# KiCad board VCU_CM5.kicad_pcb (continued)
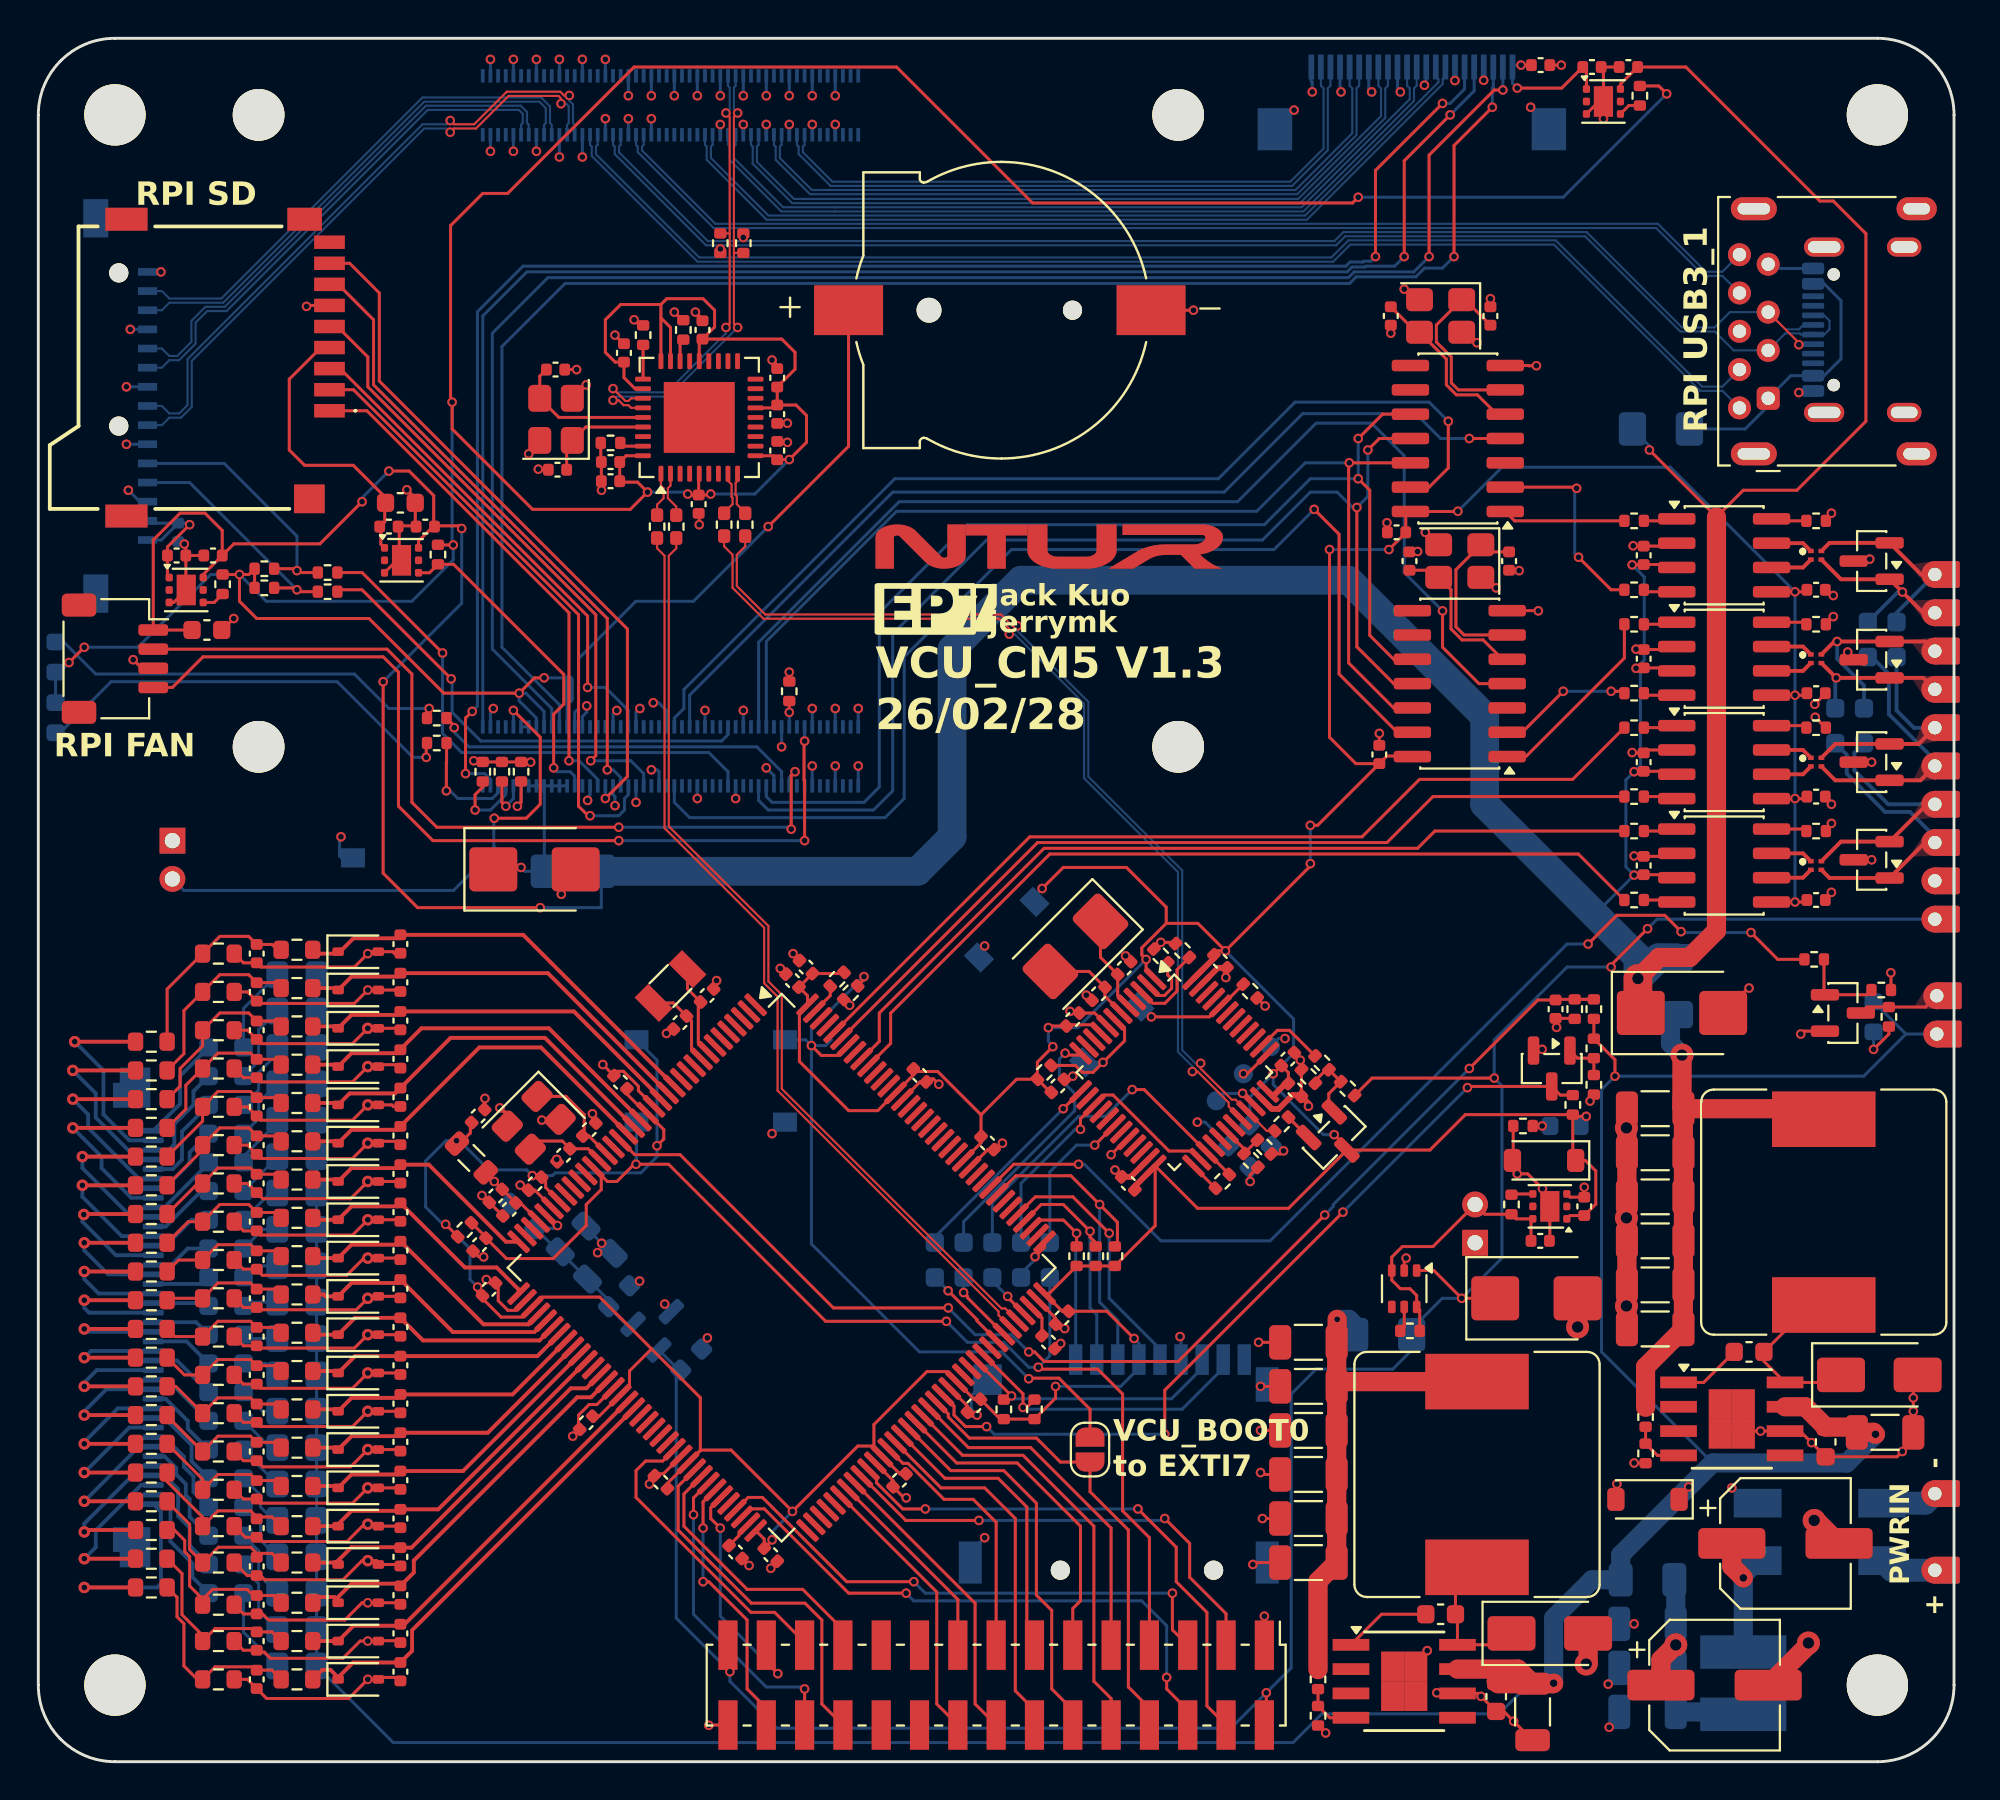
[diagram p0: board, top side]
## Nets (continued)
GND: BT1.N C1.2 C2.2 C3.2 C4.2 C5.2 C6.2 C7.2 C8.2 C9.2 C10.1 C12.2 C13.2 C14.2 C15.2 C16.2 C17.2 C18.2 C19.2 C20.2 C21.2 C22.2 C23.2 C24.2 C25.2 C26.2 C27.2 C28.2 C29.2 C30.2 C31.2 C32.2 C33.2 C34.2 C35.2 C36.2 C37.2 C38.2 C39.2 C40.2 C41.2 C42.2 C43.2 C44.2 C45.2 C46.2 C47.2 C48.2 C49.2 C50.2 C51.2 C52.2 C53.2 C54.1 C55.1 C56.2 C57.2 C58.2 C59.2 C60.2 C61.2 C62.2 C63.2 C64.2 C65.2 C66.2 C67.2 C68.2 C69.2 C70.2 C71.2 C72.2 C73.2 C74.2 C75.2 C76.2 C77.2 C78.2 C79.2 C80.2 C81.2 C82.2 C83.2 C84.2 C85.2 C86.2 C87.2 C88.2 C89.2 C90.2 C91.2 C92.2 C93.2 C94.2 C95.2 C96.2 C97.2 C98.2 C99.2 C100.2 C101.2 C102.2 C103.2 C104.2 C105.2 C106.2 C107.2 C108.2 C109.2 C110.2 C111.2 C112.1 C114.2 C115.2 C116.2 C117.2 C118.2 C119.2 C120.2 C121.2 C122.2 C123.2 C124.2 C125.2 C126.2 C127.2 C128.2 C129.2 C130.2 C131.2 C136.2 C137.2 C143.2 C144.2 D1.2 D3.2 D4.2 D5.2 D6.3 D7.2 D8.2 D9.2 D10.2 D11.2 D12.2 D14.1 D17.2 D18.2 D19.2 D20.2 D21.2 D22.2 D23.2 D24.2 D25.2 D26.2 D27.2 D28.2 D29.2 D30.2 D31.2 D33.2 D34.2 D35.3 D36.3 D38.3 FL1.4 J1.4 J2.1 J3.1 J4.3 J5.4 J5.7 J5.10 J5.13 J5.16 J5.19 J5.22 J5.MP J6.3 J6.6 J6.9 J6.12 J6.15 J7.6 J9.1 J9.30 J10.6 J10.G1 J10.G2 J10.G3 J10.G4 J24.A1 J24.A12 J24.B1 J24.B12 Module1.1 Module1.2 Module1.7 Module1.8 Module1.13 Module1.14 Module1.22 Module1.23 Module1.32 Module1.33 Module1.42 Module1.43 Module1.52 Module1.53 Module1.59 Module1.60 Module1.65 Module1.66 Module1.71 Module1.74 Module1.98 Module1.107 Module1.108 Module1.113 Module1.114 Module1.119 Module1.120 Module1.125 Module1.126 Module1.131 Module1.132 Module1.137 Module1.138 Module1.144 Module1.150 Module1.155 Module1.156 Module1.161 Module1.162 Module1.167 Module1.168 Module1.173 Module1.174 Module1.179 Module1.180 Module1.185 Module1.186 Module1.191 Module1.192 Module1.197 Module1.198 Q1.2 Q3.2 R6.2 R10.2 R12.1 R14.2 R17.2 R18.2 R20.2 R22.2 R24.2 R26.2 R28.2 R30.2 R31.2 R32.2 R44.2 R57.1 R58.2 R59.2 R60.2 R101.2 R103.2 R105.2 R107.2 R109.2 R111.2 R113.2 R115.2 R117.2 R119.2 R121.2 R123.2 R125.2 R130.1 R140.2 R143.1 R146.2 R149.2 R150.1 R151.1 R152.1 R158.2 R162.2 SW1.2 SW2.1 SW4.1 TP10.1 TP17.1 U1.2 U2.3 U2.7 U3.6 U3.9 U4.2 U5.8 U5.20 U5.23 U5.35 U5.47 U6.3 U6.7 U7.3 U7.7 U8.3 U8.7 U9.7 U10.7 U11.3 U12.16 U12.31 U12.38 U12.51 U12.61 U12.83 U12.94 U12.107 U12.120 U12.130 U13.6 U13.9 U14.2 U17.2 U19.2 Y2.2 Y2.4 Y3.2 Y3.4 Y4.2 Y4.4 Y6.2 Y6.4
/computer/40P.GPIO2: Module1.58
/computer/40P.GPIO3: Module1.56
/computer/40P.GPIO4: Module1.54
/computer/40P.GPIO5: Module1.34
/computer/40P.GPIO6: Module1.30
/computer/40P.GPIO7: Module1.37
/computer/40P.GPIO8: Module1.39
/computer/40P.GPIO9: Module1.40
/computer/40P.GPIO10: Module1.44
/computer/40P.GPIO11: Module1.38
/computer/40P.GPIO12: Module1.31
/computer/40P.GPIO13: Module1.28 U10.4
/computer/40P.GPIO14: Module1.55
/computer/40P.GPIO15: Module1.51
/computer/40P.GPIO16: Module1.29
/computer/40P.GPIO17: Module1.50 U9.13
/computer/40P.GPIO18: Module1.49 U10.13
/computer/40P.GPIO19: Module1.26 U9.12 U10.12
/computer/40P.GPIO20: Module1.27 U9.11 U10.11
/computer/40P.GPIO21: Module1.25 U9.10 U10.10
/computer/40P.GPIO22: Module1.46 U9.4
/computer/40P.GPIO23: Module1.47
/computer/40P.GPIO24: Module1.45
/computer/40P.GPIO25: Module1.41
/computer/40P.GPIO26: Module1.24
/computer/40P.GPIO27: Module1.48
/computer/40P.ID_SC: Module1.35 R51.2
/computer/40P.ID_SD: Module1.36 R50.2
/computer/compute module/CC1: Module1.94
/computer/compute module/CC2: Module1.96
/computer/compute module/ETH.TRD0_N: Module1.10
/computer/compute module/ETH.TRD0_P: Module1.12
/computer/compute module/ETH.TRD1_N: Module1.6
/computer/compute module/ETH.TRD1_P: Module1.4
/computer/compute module/ETH.TRD2_N: Module1.9
/computer/compute module/ETH.TRD2_P: Module1.11
/computer/compute module/ETH.TRD3_N: Module1.5
/computer/compute module/ETH.TRD3_P: Module1.3
/computer/compute module/ETH_nACT_LED: Module1.15
/computer/compute module/ETH_nSPD_LED: Module1.17
/computer/compute module/ETH_SYNC_OUT: Module1.18
/computer/compute module/FAN_PWM: J4.2 Module1.19
/computer/compute module/FAN_TACH: J4.4 Module1.16
/computer/compute module/HDMI0.CEC: Module1.151
/computer/compute module/HDMI0.CK_N: Module1.190
/computer/compute module/HDMI0.CK_P: Module1.188
/computer/compute module/HDMI0.D0_N: Module1.184
/computer/compute module/HDMI0.D0_P: Module1.182
/computer/compute module/HDMI0.D1_N: Module1.178
/computer/compute module/HDMI0.D1_P: Module1.176
/computer/compute module/HDMI0.D2_N: Module1.172
/computer/compute module/HDMI0.D2_P: Module1.170
/computer/compute module/HDMI0.HOTPLUG: Module1.153
/computer/compute module/HDMI0.SCL: Module1.200
/computer/compute module/HDMI0.SDA: Module1.199
/computer/compute module/HDMI1.CEC: Module1.149
/computer/compute module/HDMI1.CK_N: Module1.166
/computer/compute module/HDMI1.CK_P: Module1.164
/computer/compute module/HDMI1.D0_N: Module1.160
/computer/compute module/HDMI1.D0_P: Module1.158
/computer/compute module/HDMI1.D1_N: Module1.154
/computer/compute module/HDMI1.D1_P: Module1.152
/computer/compute module/HDMI1.D2_N: Module1.148
/computer/compute module/HDMI1.D2_P: Module1.146
/computer/compute module/HDMI1.HOTPLUG: Module1.143
/computer/compute module/HDMI1.SCL: Module1.147
/computer/compute module/HDMI1.SDA: Module1.145
/computer/compute module/MIPI1.C_N: J6.11 Module1.187
/computer/compute module/MIPI1.C_P: J6.10 Module1.189
/computer/compute module/MIPI1.D0_N: J6.8 Module1.175
/computer/compute module/MIPI1.D0_P: J6.7 Module1.177
/computer/compute module/MIPI1.D1_N: J6.14 Module1.181
/computer/compute module/MIPI1.D1_P: J6.13 Module1.183
/computer/compute module/MIPI1.D2_N: Module1.193
/computer/compute module/MIPI1.D2_P: Module1.195
/computer/compute module/MIPI1.D3_N: Module1.194
/computer/compute module/MIPI1.D3_P: Module1.196
/computer/compute module/nACT_LED: Module1.21 R49.2
/computer/compute module/nPWR_LED: Module1.95 R48.2
/computer/compute module/PWR_BTN: J3.2 Module1.92 SW1.1
/computer/compute module/RPI_5V_in: D17.1 F4.2 Module1.77 Module1.79 Module1.81 Module1.83 Module1.85 Module1.87
/computer/compute module/USB2.D+: Module1.105
/computer/compute module/USB2.D-: Module1.103
/computer/compute module/USB2.OTG: Module1.101
/computer/MIPI0.C_N: J5.15 Module1.127
/computer/MIPI0.C_P: J5.14 Module1.129
/computer/MIPI0.D0_N: J5.21 Module1.115
/computer/MIPI0.D0_P: J5.20 Module1.117
/computer/MIPI0.D1_N: J5.18 Module1.121
/computer/MIPI0.D1_P: J5.17 Module1.123
/computer/MIPI0.D2_N: J5.12 Module1.133
/computer/MIPI0.D2_P: J5.11 Module1.135
/computer/MIPI0.D3_N: J5.9 Module1.139
/computer/MIPI0.D3_P: J5.8 Module1.141
/computer/MIPI0.GPIO0: J5.6 Module1.97
/computer/MIPI0.GPIO1: J5.5 Module1.100
/computer/MIPI0.SCL: J5.3 Module1.80
/computer/MIPI0.SDA: J5.2 Module1.82
/computer/MIPI1.SCL: J6.5 R51.1 R52.1
/computer/MIPI1.SDA: J6.4 R50.1 R53.1
/computer/PCIe.CLK_N: Module1.112
/computer/PCIe.CLK_P: Module1.110
/computer/PCIe.nCLKREQ: Module1.102
/computer/PCIe.nRST: Module1.109
/computer/PCIe.nWAKE: Module1.104
/computer/PCIe.PWR_EN: Module1.106
/computer/PCIe.RX_N: Module1.118
/computer/PCIe.RX_P: Module1.116
/computer/PCIe.TX_N: Module1.124
/computer/PCIe.TX_P: Module1.122
/computer/SD.CK: J7.5 Module1.57
/computer/SD.CMD: J7.3 Module1.62
/computer/SD.D0: J7.7 Module1.63
/computer/SD.D1: J7.8 Module1.67
/computer/SD.D2: J7.1 Module1.69
/computer/SD.D3: J7.2 Module1.61
/computer/SD_PWR_ON: Module1.75 R54.2 U6.4
/computer/USB3_0.D+: Module1.134 R133.2 U15.31
/computer/USB3_0.D-: Module1.136 R134.2 U15.30
/computer/USB3_0.RX+: Module1.130
/computer/USB3_0.RX-: Module1.128
/computer/USB3_0.TX+: Module1.142
/computer/USB3_0.TX-: Module1.140
/DFP0.D+: R132.2 U15.2
/DFP0.D-: R131.2 U15.1
/DFP1.D+: U15.4
/DFP1.D-: U15.3
/DFP2.D+: U15.7
/DFP2.D-: U15.6
/DFP3.D+: R46.1 U15.9
/DFP3.D-: R47.2 U15.8
/RPI CAN0/CAN.RX: R156.1 U9.2
/RPI CAN0/CAN.TX: R155.1 U9.1
/RPI CAN0/CAN_H: D36.2 FL4.4 R1.2 TP1.1
/RPI CAN0/CAN_L: D36.1 FL4.3 R2.2 TP2.1
/RPI CAN1/CAN.RX: R148.1 U10.2
/RPI CAN1/CAN.TX: R147.1 U10.1
/RPI CAN1/CAN_H: D35.2 FL3.4 R3.2 TP3.1
/RPI CAN1/CAN_L: D35.1 FL3.3 R4.2 TP4.1
/stlink/BOOT0: R32.1 SW5.1 U5.44
/stlink/DEBUG.CLK: R40.2 U12.109
/stlink/DEBUG.DIO: R41.2 U12.105
/stlink/DEBUG.RST: C86.1 J9.7 R42.2 R127.2 SW2.2 U12.25
/stlink/LED_STLINK: R35.2 R36.1 U5.30
/stlink/OSC_IN: C32.1 U5.5 Y1.1
/stlink/OSC_OUT: C33.1 U5.6 Y1.2
/stlink/RENUM: R37.1 U5.38
/stlink/S_CLK: TP16.1 U5.37
/stlink/S_DIO: TP15.1 U5.34
/stlink/t_CLK: R40.1 U5.15 U5.26
/stlink/t_DIO: R33.1 R41.1 U5.27
/stlink/t_RST: R42.1 U5.18
/stlink/T_SWO: U5.31
/stlink/USART2_RX: R39.1 U5.13
/stlink/USART2_TX: R38.1 U5.12
/stlink/USB_DN: R47.1 U5.32
/stlink/USB_DP: R45.2 R46.2 U5.33
/stlink/VCP_MCU_UART.RX: R38.2 U12.102
/stlink/VCP_MCU_UART.TX: R39.2 U12.101
/STM32 CAN1/CAN.RX: R161.1 U12.139
/STM32 CAN1/CAN.TX: R160.1 U12.140
/STM32 CAN1/CAN_H: D38.2 FL5.4 R1.1 TP5.1
/STM32 CAN1/CAN_L: D38.1 FL5.3 R2.1 TP6.1
/STM32 CAN2/CAN.RX: R16.1 U12.135
/STM32 CAN2/CAN.TX: R15.1 U12.136
/STM32 CAN2/CAN_H: D6.2 FL2.4 R3.1 TP7.1
/STM32 CAN2/CAN_L: D6.1 FL2.3 R4.1 TP8.1
/USB3_1.D+: J1.3 J24.A6 J24.B6 Module1.163 R133.1
/USB3_1.D-: J1.2 J24.A7 J24.B7 Module1.165 R134.1
/USB3_1.RX+: J1.6 Module1.159
/USB3_1.RX-: J1.5 Module1.157
/USB3_1.TX+: J1.9 Module1.171
/USB3_1.TX-: J1.8 Module1.169
/vcu mcu/BOOT0: JP1.2 R130.2 SW3.1 U12.138
/vcu mcu/buzzer/buzzer_outbox: Q3.3 R144.1 TP14.1
/vcu mcu/buzzer_gate: R142.2 U12.117
/vcu mcu/CL_CH1: C31.1 D12.1 R29.2 U12.13
/vcu mcu/CL_CH2: C57.1 D18.1 R102.2 U12.14
/vcu mcu/CL_CH3: C59.1 D19.1 R104.2 U12.15
/vcu mcu/CL_CH4: C61.1 D20.1 R106.2 U12.18
/vcu mcu/CL_CH5: C63.1 D21.1 R108.2 U12.19
/vcu mcu/CL_CH6: C65.1 D22.1 R110.2 U12.20
/vcu mcu/CL_CH7: C67.1 D23.1 R112.2 U12.36
/vcu mcu/CL_CH8: C69.1 D24.1 R114.2 U12.37
/vcu mcu/CL_CH9: C71.1 D25.1 R116.2 U12.40
/vcu mcu/CL_CH10: C73.1 D26.1 R118.2 U12.41
/vcu mcu/CL_CH11: C75.1 D27.1 R120.2 U12.42
/vcu mcu/CL_CH12: C77.1 D28.1 R122.2 U12.43
/vcu mcu/CL_CH13: C79.1 D29.1 R124.2 U12.44
/vcu mcu/CL_CH14: C81.1 D30.1 R126.2 U12.45
/vcu mcu/CL_CH15: C110.1 D31.1 R141.2 U12.46
/vcu mcu/CL_CH16: C21.1 D7.1 R19.2 U12.47
/vcu mcu/CL_CH17: C23.1 D8.1 R21.2 U12.49
/vcu mcu/CL_CH18: C25.1 D9.1 R23.2 U12.50
/vcu mcu/CL_CH19: C27.1 D10.1 R25.2 U12.53
/vcu mcu/CL_CH20: C29.1 D11.1 R27.2 U12.54
/vcu mcu/current loop sensors/current loop 1/CL_LOOP: C30.1 R28.1 R29.1 R81.2
/vcu mcu/current loop sensors/current loop 2/CL_LOOP: C56.1 R82.2 R101.1 R102.1
/vcu mcu/current loop sensors/current loop 3/CL_LOOP: C58.1 R83.2 R103.1 R104.1
/vcu mcu/current loop sensors/current loop 4/CL_LOOP: C60.1 R84.2 R105.1 R106.1
/vcu mcu/current loop sensors/current loop 5/CL_LOOP: C62.1 R85.2 R107.1 R108.1
/vcu mcu/current loop sensors/current loop 6/CL_LOOP: C64.1 R86.2 R109.1 R110.1
/vcu mcu/current loop sensors/current loop 7/CL_LOOP: C66.1 R87.2 R111.1 R112.1
/vcu mcu/current loop sensors/current loop 8/CL_LOOP: C68.1 R88.2 R113.1 R114.1
/vcu mcu/current loop sensors/current loop 9/CL_LOOP: C70.1 R89.2 R115.1 R116.1
/vcu mcu/current loop sensors/current loop 10/CL_LOOP: C72.1 R90.2 R117.1 R118.1
/vcu mcu/current loop sensors/current loop 11/CL_LOOP: C74.1 R91.2 R119.1 R120.1
/vcu mcu/current loop sensors/current loop 12/CL_LOOP: C76.1 R92.2 R121.1 R122.1
/vcu mcu/current loop sensors/current loop 13/CL_LOOP: C78.1 R93.2 R123.1 R124.1
/vcu mcu/current loop sensors/current loop 14/CL_LOOP: C80.1 R94.2 R125.1 R126.1
/vcu mcu/current loop sensors/current loop 15/CL_LOOP: C109.1 R95.2 R140.1 R141.1
/vcu mcu/current loop sensors/current loop 16/CL_LOOP: C20.1 R18.1 R19.1 R96.2
/vcu mcu/current loop sensors/current loop 17/CL_LOOP: C22.1 R20.1 R21.1 R97.2
/vcu mcu/current loop sensors/current loop 18/CL_LOOP: C24.1 R22.1 R23.1 R98.2
/vcu mcu/current loop sensors/current loop 19/CL_LOOP: C26.1 R24.1 R25.1 R99.2
/vcu mcu/current loop sensors/current loop 20/CL_LOOP: C28.1 R26.1 R27.1 R100.2
/vcu mcu/EXTI2: J9.13 U12.87
/vcu mcu/EXTI3: J9.12 U12.88
/vcu mcu/EXTI4: J9.11 U12.89
/vcu mcu/EXTI5: J9.10 U12.90
/vcu mcu/EXTI6: J9.9 U12.91
/vcu mcu/EXTI7: J9.8 JP1.1 U12.92
/vcu mcu/EXTI8: Q1.3 R7.2 U12.93
/vcu mcu/EXTI9: J9.18 U12.78
/vcu mcu/EXTI10: J9.17 U12.79
/vcu mcu/EXTI11: J9.16 U12.80
/vcu mcu/EXTI12: J9.3 U12.81
/vcu mcu/EXTI13: J9.4 U12.82
/vcu mcu/EXTI14: J9.15 U12.85
/vcu mcu/EXTI15: J9.14 U12.86
/vcu mcu/I2C2_SCL: J9.5 U12.69
/vcu mcu/I2C2_SDA: J9.6 U12.70
/vcu mcu/OSC32_IN: C107.1 U12.8 Y5.1
/vcu mcu/OSC32_OUT: C108.1 U12.9 Y5.2
/vcu mcu/OSC_IN: C105.1 U12.23 Y4.1
/vcu mcu/OSC_OUT: C106.1 U12.24 Y4.3
/vcu mcu/SDMMC1_CK: J10.5 U12.113
/vcu mcu/SDMMC1_CMD: J10.3 R139.1 U12.116
/vcu mcu/SDMMC1_D0: J10.7 R135.1 U12.98
/vcu mcu/SDMMC1_D1: J10.8 R136.1 U12.99
/vcu mcu/SDMMC1_D2: J10.1 R137.1 U12.111
/vcu mcu/SDMMC1_D3: J10.2 R138.1 U12.112
/vcu mcu/SPI4_CS0: J9.24 U12.63
/vcu mcu/SPI4_CS1: J9.23 U12.64
/vcu mcu/SPI4_LEDPWM: J9.25 U12.60
/vcu mcu/SPI4_MISO: J9.28 U12.66
/vcu mcu/SPI4_MOSI: J9.27 U12.67
/vcu mcu/SPI4_SCK: J9.26 U12.65
/vcu mcu/USART6_RX: U12.97
/vcu mcu/USART6_TX: U12.96
/vcu mcu/USBDN: R131.1 U12.103
/vcu mcu/USBDP: R132.1 U12.104
/vcu mcu/VCAP1: C87.1 U12.71
/vcu mcu/VCAP2: C90.1 U12.106
Net-(Module1A-GPIO_VREF(1.8v/3.3v_Input)): Module1.78 NT1.2
Net-(C1-Pad1): C1.1 FL1.3 L1.1
Net-(C2-Pad1): C2.1 C3.1 C4.1 C5.1 F2.1 L1.2
Net-(C12-Pad1): C12.1 C13.1 C14.1 C15.1 C16.1 C17.1 F3.1 L2.2 R13.1
Net-(C114-Pad1): C114.1 C115.1 C116.1 C117.1 C118.1 C119.1 F25.1 L3.2 R145.1
Net-(D2-K): D2.1 R12.2
Net-(D4-K): C11.2 D4.1 L2.1 U3.8
Net-(D13-K): D13.1 R35.1
Net-(D14-A): D14.2 R36.2
Net-(D15-K): D15.1 R48.1
Net-(D16-K): D16.1 R49.1
Net-(D32-K): D32.1 R144.2
Net-(D33-K): C113.2 D33.1 L3.1 U13.8
Net-(F5-Pad2): F5.2 R61.2
Net-(F6-Pad2): F6.2 R62.2
Net-(F7-Pad2): F7.2 R67.2
Net-(F8-Pad2): F8.2 R68.2
Net-(F9-Pad2): F9.2 R69.2
Net-(F10-Pad2): F10.2 R70.2
Net-(F11-Pad2): F11.2 R71.2
Net-(F12-Pad2): F12.2 R72.2
Net-(F13-Pad2): F13.2 R73.2
Net-(F14-Pad2): F14.2 R74.2
Net-(F15-Pad2): F15.2 R75.2
Net-(F16-Pad2): F16.2 R76.2
Net-(F17-Pad2): F17.2 R77.2
Net-(F18-Pad2): F18.2 R78.2
Net-(F19-Pad2): F19.2 R79.2
Net-(F20-Pad2): F20.2 R80.2
Net-(F21-Pad2): F21.2 R63.2
Net-(F22-Pad2): F22.2 R64.2
Net-(F23-Pad2): F23.2 R65.2
Net-(F24-Pad2): F24.2 R66.2
Net-(FL1-Pad1): FL1.1 TP9.1
Net-(FL1-Pad2): FL1.2 TP11.1
Net-(J1-VBUS): F1.2 J1.1 J24.A4 J24.A9 J24.B4 J24.B9
Net-(J7-VDD): C46.1 C49.1 J7.4 U6.1
Net-(J8-Pin_1): J8.1 R100.1
Net-(J8-Pin_2): J8.2 R80.1
Net-(J8-Pin_3): J8.3 R99.1
Net-(J8-Pin_4): J8.4 R79.1
Net-(J8-Pin_5): J8.5 R98.1
Net-(J8-Pin_6): J8.6 R78.1
Net-(J8-Pin_7): J8.7 R97.1
Net-(J8-Pin_8): J8.8 R77.1
Net-(J8-Pin_9): J8.9 R96.1
Net-(J8-Pin_10): J8.10 R76.1
Net-(J8-Pin_11): J8.11 R95.1
Net-(J8-Pin_12): J8.12 R75.1
Net-(J8-Pin_13): J8.13 R94.1
Net-(J8-Pin_14): J8.14 R74.1
Net-(J8-Pin_15): J8.15 R93.1
Net-(J8-Pin_16): J8.16 R73.1
Net-(J8-Pin_17): J8.17 R92.1
Net-(J8-Pin_18): J8.18 R72.1
Net-(J8-Pin_19): J8.19 R91.1
Net-(J8-Pin_20): J8.20 R71.1
Net-(J8-Pin_21): J8.21 R90.1
Net-(J8-Pin_22): J8.22 R70.1
Net-(J8-Pin_23): J8.23 R89.1
Net-(J8-Pin_24): J8.24 R69.1
Net-(J8-Pin_25): J8.25 R88.1
Net-(J8-Pin_26): J8.26 R68.1
Net-(J8-Pin_27): J8.27 R87.1
Net-(J8-Pin_28): J8.28 R67.1
Net-(J8-Pin_29): J8.29 R86.1
Net-(J8-Pin_30): J8.30 R66.1
Net-(J8-Pin_31): J8.31 R85.1
Net-(J8-Pin_32): J8.32 R65.1
Net-(J8-Pin_33): J8.33 R84.1
Net-(J8-Pin_34): J8.34 R64.1
Net-(J8-Pin_35): J8.35 R83.1
Net-(J8-Pin_36): J8.36 R63.1
Net-(J8-Pin_37): J8.37 R82.1
Net-(J8-Pin_38): J8.38 R62.1
Net-(J8-Pin_39): J8.39 R81.1
Net-(J8-Pin_40): J8.40 R61.1
Net-(Module1A-BT_nDisable): Module1.91 R59.1
Net-(Module1A-EEPROM_nWP): Module1.20 R57.2
Net-(Module1A-nRPIBOOT): Module1.93 R60.1
Net-(Module1A-WiFi_nDisable): Module1.89 R58.1
Net-(Q1-G): Q1.1 R5.2 R6.1
Net-(Q2-B): Q2.1 R37.2 R43.2 R44.1
Net-(Q2-E): Q2.2 R45.1
Net-(Q3-G): Q3.1 R142.1 R143.2
Net-(U1-ST): R8.2 U1.5
Net-(U2-EN): R11.2 U2.4
Net-(U3-BOOT): C11.1 U3.1
Net-(U3-VSENSE): R13.2 R14.1 U3.4
Net-(U4-CANH): FL2.1 U4.7
Net-(U4-CANL): FL2.2 U4.6
Net-(U4-RXD): R16.2 U4.4
Net-(U4-STB): R17.1 U4.8
Net-(U4-TXD): R15.2 U4.1
Net-(U5-NRST): R34.2 SW4.2 U5.7
Net-(U5-PB12): R33.2 U5.25
Net-(U5-PC13): R30.1 U5.2
Net-(U5-PC14): R31.1 U5.3
Net-(U7-EN): R55.2 U7.4
Net-(U8-EN): R56.2 U8.4
Net-(U9-OSC1): C52.1 U9.6 Y2.1
Net-(U9-OSC2): C50.1 U9.5 Y2.3
Net-(U10-OSC1): C53.1 U10.6 Y3.1
Net-(U10-OSC2): C51.1 U10.5 Y3.3
Net-(U11-OUT): C83.1 C84.1 C85.1 R128.2 U11.2 U12.32
Net-(U12-PDR_ON): R129.2 U12.143
Net-(U13-BOOT): C113.1 U13.1
Net-(U13-VSENSE): R145.2 R146.1 U13.4
Net-(U14-CANH): FL3.1 U14.7
Net-(U14-CANL): FL3.2 U14.6
Net-(U14-RXD): R148.2 U14.4
Net-(U14-STB): R149.1 U14.8
Net-(U14-TXD): R147.2 U14.1
Net-(U15-HS_IND/CFG_SEL1): R152.2 U15.25
Net-(U15-RBIAS): R151.2 U15.35
Net-(U15-SUSP_IND/LOCAL_PWR/NON_REM0): R150.2 U15.28
Net-(U15-XTALIN/CLKIN): C122.1 U15.33 Y6.1
Net-(U15-XTALOUT): C123.1 U15.32 Y6.3
Net-(U17-CANH): FL4.1 U17.7
Net-(U17-CANL): FL4.2 U17.6
Net-(U17-RXD): R156.2 U17.4
Net-(U17-STB): R158.1 U17.8
Net-(U17-TXD): R155.2 U17.1
Net-(U19-CANH): FL5.1 U19.7
Net-(U19-CANL): FL5.2 U19.6
Net-(U19-RXD): R161.2 U19.4
Net-(U19-STB): R162.1 U19.8
Net-(U19-TXD): R160.2 U19.1

Pads without a net: J1 7 10; J4 MP; J6 MP; J7 CD1 G1 G2 G3 G4; J8 MP; J9 19 20 21 22; J10 CD1; J24 A5 A8 B5 B8 S1; Module1 64 68 70 72 73 99; U1 4; U2 2 5; U3 2 3 5; U5 4 10 11 14 16 17 19 21 22 28 29 39 40 41 42 43 45 46; U6 2 5; U7 2 5; U8 2 5; U9 3 8 9; U10 3 8 9; U12 1 2 3 4 5 7 10 11 12 22 26 27 28 29 34 35 48 55 56 57 58 59 68 73 74 75 76 77 100 110 114 115 118 119 122 123 124 125 126 127 128 129 132 133 134 137 141 142; U13 2 3 5; U15 11 12 13 14 16 17 18 19 20 21 22 24 34 37

## Via types
v1: diameter 0.5, hole 0.3, Top to Bottom, 395 vias
v2: diameter 1.2, hole 0.6, Top to Bottom, 10 vias
v3: diameter 0.8, hole 0.4, Top to Bottom, 3 vias
v4: diameter 0.6, hole 0.3, Top to Bottom, 36 vias

## Routing (per net, layer and track width the routed paths; a pad name or vN(x,y) marks a point on that pad's centre or on a via; arc(x,y) is an arc through that point)
+1V8_CMOUT: length 0.4
  Bottom w0.157: Module1.90 Module1.88
+3V3: length 313.5
  Top w0.157: 49.21,33.78 C91.1 49.21,32.32 U12.121 ; 49.21,33.78 46.95,36.04 45.86,36.04 U12.131 43.82,34 42.3,34 39.73,36.57 39.73,39.1 U12.144 40.15,40 C99.1 C101.1 42,41.16 R129.1 ; 49.21,33.78 51.06,35.64 52.1,35.64 52.15,35.59 R34.1 ; v1(67.64,32.75) 68.31,32.08 Q2.3 ; v1(67.4,63.3) 67.4,53.5 68.78,52.12 C55.2 ; C121.1 92.22,55.69 U14.5 ; v1(66.4,48.9) 66.78,48.9 C55.2 ; U5.9 55.05,38.48 53.72,38.48 C39.1 52.81,38.42 v1(52.72,38.33) ; U5.1 57.83,41.36 v1(57.83,41.9) 57.6,42.12 57.6,42.51 58.88,43.78 ; v1(53.1,19.6) 53.1,18.99 R136.2 R135.2 50.22,17.89 C88.1 48.86,18.93 U12.95 47.41,20.37 46.38,20.37 43.62,17.61 43.62,16.39 U12.84 ; v1(25.79,30.61) 26.19,30.61 C100.1 26.48,30.31 26.48,29.99 U12.30 ; v1(64.46,35.93) C35.1 65.25,35.99 C37.1 ; R34.1 52.84,34.95 C34.1 ; R34.1 52.15,36.53 v1(52.96,37.34) ; v1(66.4,46.9) 66.4,46.78 v1(61.97,42.34) ; v1(22.93,24.79) 22.93,24.41 22.96,24.39 22.99,24.39 23.05,24.33 C94.1 23.19,24.19 24.16,23.22 25.26,23.22 U12.39 26.3,24.26 29.3,24.26 32.01,21.56 ; 32.01,21.56 34.56,19.01 34.56,16.25 U12.62 ; 32.01,21.56 30.86,20.41 30.86,19.63 U12.52 29.27,18.04 C95.1 ; U19.5 92.22,50.3 C144.1 ; v1(80.8,33.7) 80.19,33.7 R7.1 ; U10.14 71.69,52.52 70.4,52.52 C55.2 ; v1(21.83,32.43) 21.86,32.41 FB1.1 22,32.28 22.55,32.83 22.55,33.2 22.62,33.27 C104.1 ; R7.1 80.1,31.55 D3.1 80.75,31.4 81.3,30.85 81.3,29.12 C8.1 79.96,28.52 U2.1 ; R7.1 74.49,33.79 72.64,31.94 Q2.3 ; U12.62 34.58,16.27 36.16,16.27 v1(39.37,13.07) 42.78,16.48 43.52,16.48 U12.84 ; U12.62 32.84,14.54 32.84,14.36 32.94,14.26 C96.1 ; v1(61.97,42.34) 61.57,42.34 C36.1 ; v1(61.97,42.34) 60.53,43.78 58.88,43.78 ; v1(57.2,22.1) 55.78,23.52 C92.1 53.45,23.52 U12.108 52.76,24.45 R137.2 R138.2 R139.2 58.3,27.99 U5.24 60.51,28.9 65.26,28.9 Q2.3 ; U12.72 37.89,11.63 C97.1 38.31,11.56 v1(38.31,11.59) ; C93.1 30.72,34.87 31.72,33.87 U12.17 32.65,33.01 32.65,32.52 v1(32.29,32.16) ; U12.84 44.97,15.04 C89.1 ; v1(70.5,63.3) 71.38,64.18 C54.2 71.38,65.05 U9.14 74.09,65.29 v1(74.1,65.3) ; C137.1 92.22,61.09 U17.5 ; v1(21.26,28.06) 21.89,27.43 R127.1 ; 58.88,43.78 58.88,44.62 56.8,46.7 53.5,46.7 v1(52.4,45.6) ; U4.5 92.22,44.89 C19.1
  Top w0.3: C36.1 61.36,41.95 U5.48 ; U5.36 64.44,34.75 65.11,35.42 C37.1 ; U5.24 57.24,30.05
  Bottom w0.157: SW3.2 32.29,36.63 v1(32.29,32.16) 32.29,31.59 31.45,30.75 26.98,30.75 26.84,30.61 v1(25.79,30.61) 25.49,30.91 23.51,30.91 21.99,32.43 v1(21.83,32.43) 21.28,32.43 20.22,31.37 20.22,28.97 21.12,28.06 v1(21.26,28.06) 22.54,26.79 22.54,25.18 v1(22.93,24.79) ; v1(64.46,35.93) 65.52,36.99 65.52,38.79 v1(61.97,42.34) ; v1(64.46,35.93) 63.24,34.71 D13.2 ; v1(64.46,35.93) 64.46,35.36 67.08,32.75 v1(67.64,32.75) ; v1(53.1,19.6) 56.5,19.6 57.45,20.55 J10.4 57.45,21.85 v1(57.2,22.1) ; v1(80.8,33.7) 80.8,33.51 D2.2 ; v1(52.4,45.6) 52,45.2 SW5.2 ; v1(66.4,46.9) v1(66.4,48.9) ; v1(67.4,63.3) v1(70.5,63.3) ; v1(57.83,41.9) 54.26,38.33 v1(52.72,38.33) 52.72,37.63 52.96,37.39 v1(52.96,37.34) ; v1(39.37,13.07) 38.31,12.01 v1(38.31,11.59) ; v1(74.1,65.3) 76.4,67.6 85.19,67.6 v1(91.7,61.09) v1(91.7,55.69) v1(91.7,50.3) v1(91.7,44.89)
+3V3_CMOUT: length 209
  Top w0.157: 32.5,75.4 33,74.9 U15.26 ; 32.5,75.4 32.5,76.1 ; 32.5,75.4 U15.27 ; C129.1 38.81,74.29 39.5,73.6 39.5,72.72 C131.1 C128.1 ; C129.1 35.3,74.92 35.3,75.8 34.7,76.4 32.8,76.4 32.5,76.1 ; C129.1 34.5,74.12 U15.23 ; C128.1 38.42,70.7 U15.15 ; C128.1 39.55,70.85 40.1,70.3 40.1,68.9 v1(39.2,68) 38.58,68 C125.1 38.36,68.2 U15.10 ; 32.5,76.1 30.4,76.1 29.6,75.3 29.6,73.6 30.11,73.09 C124.1 30.57,72.28 31.15,71.7 U15.29 ; v1(33.9,66.2) 33.95,66.15 C126.1 ; C126.1 34.47,67.23 U15.5 ; C126.1 35.05,66.15 v1(35.1,66.2) ; 30.4,66.82 31.28,66.82 v1(31.8,66.3) 30.9,65.4 25.8,65.4 21.6,69.6 v1(21.6,71) 21.57,71 21.52,71.05 21.52,80.22 23.2,81.9 24.5,81.9 31.1,88.5 44.8,88.5 51.9,81.4 68.6,81.4 v1(68.9,81.7) ; v1(10.5,62) 10.5,60.6 11.4,59.7 17.26,59.7 21.16,55.8 v1(25.1,55.8) 25.9,56.6 26.4,56.6 v1(26.4,56.6) ; v1(21.66,63.54) 20.87,63.54 R54.1 ; R53.2 R52.2 10.99,62 R56.1 ; v1(85,87.1) 84.59,87.51 R55.1 ; C130.1 C127.1 30.68,68.2 U15.36 ; v1(2.4,58.2) v1(1.6,57.4)
  Bottom w0.157: v1(35.1,66.2) 37.4,66.2 v1(39.2,68) ; NT1.1 27.6,56.6 26.41,56.6 v1(26.4,56.6) ; Module1.86 26,54.5 25.1,55.4 v1(25.1,55.8) 25.45,55.8 26.4,54.85 Module1.84 ; v1(2.4,58.2) 5.2,58.2 9,62 v1(10.5,62) 11.9,60.6 19.5,60.6 21.66,62.76 v1(21.66,63.54) 21.6,63.6 v1(21.6,71) ; v1(68.9,81.7) 79.6,81.7 v1(85,87.1) ; v1(1.6,57.4) 1.1,56.9 D16.2 D15.2 ; v1(33.9,66.2) 33.8,66.3 v1(31.8,66.3)
+3V_BAT: length 29.4
  Top w0.157: v1(38.1,64.5) 42.3,68.7 BT1.P
  Bottom w0.157: v1(38.1,64.5) 34.2,60.6 31.19,60.6 28.2,57.61 28.2,55 28,54.8 Module1.76
+5V: length 132.3
  Top w0.157: U1.1 72.85,25.65 v1(74.3,24.2) D34.1 ; v1(76,35.7) 69.62,35.7 R43.1 ; v1(36.1,4.7) 36,4.8 J9.29 ; J9.2 64.1,2.01 v1(64.1,3.6) ; v1(84,43.5) 82.1,41.6 v1(82.1,41.5)
  Bottom w0.157: U11.1 33.37,20.52 33.46,20.52 C82.1 33.3,20.22 33.3,7.5 v1(36.1,4.7) 36.1,4.2 38.55,1.75 62.25,1.75 v1(64.1,3.6) 65.4,4.9 65.4,19.2 66.7,20.5 70.7,20.5 71.69,21.49 F25.2 71.69,22.6 73.29,24.2 v1(74.3,24.2) 76.4,26.3 76.4,35.3 v1(76,35.7) 76,37.7 79.8,41.5 v1(82.1,41.5) ; v1(84,43.5) 84.5,44 TP12.1
+5V_CM: length 247.7
  Top w0.157: C43.1 20.6,64.5 19.85,63.75 U6.6 ; C43.1 20.64,64.54 20.64,66.12 19.36,67.4 v1(18.3,67.4) ; C43.1 20.72,64.54 21.96,64.54 v1(22.1,64.4) ; U14.3 85.37,57.12 C120.1 83.42,57.12 v1(83.4,57.1) ; U19.3 85.37,51.72 C143.1 83.32,51.72 v1(83.3,51.7) ; C41.1 J4.1 6,63.8 7.4,65.2 8.7,65.2 9.6,64.3 C45.1 ; v1(18,56.4) 18,46.4 19.8,44.6 v1(26.2,44.6) ; C45.1 8.61,62 U8.6 ; C45.1 10.21,63.6 14.7,63.6 v1(16.9,65.8) ; v1(84.1,68.5) 87.6,65 89,66.4 91.8,66.4 95.4,70 95.4,79.8 93.7,81.5 93,81.5 86,88.5 C44.1 82.59,87.61 U7.6 ; v1(83.2,62.5) 83.78,62.5 C136.1 85.37,62.52 U17.3 ; v1(83.3,46.3) 83.32,46.32 C18.1 85.37,46.32 U4.3
  Top w1: 87.6,65 87.6,43.4 86.2,42 84.6,42 v2(83.5,40.9)
  Top w1.5: v2(83.5,40.9) 83.5,39.25 D5.1
  Bottom w0.157: v1(18.3,67.4) 16.9,66 v1(16.9,65.8) ; v1(83.2,62.5) 83.83,61.87 83.83,57.53 v1(83.4,57.1) 83.63,56.87 83.63,52.03 v1(83.3,51.7) 82.87,51.27 82.87,46.73 v1(83.3,46.3) 81.3,44.3 81.2,44.3 ; v1(26.2,44.6) 29.39,44.6 F4.1 ; F1.1 84.1,68.71 v1(84.1,68.5) ; v1(18,56.4) 22.1,60.5 v1(22.1,64.4)
  Bottom w1.5: F3.2 84.59,41.99 v2(83.5,40.9) 83.5,42 75.5,50 75.5,54.6 68.4,61.7 51.3,61.7 47.7,58.1 47.7,48.3 45.9,46.5 F4.1
+24V: length 187.7
  Top w0.157: D1.1 85.65,13.85 ; v1(82.3,35.8) 82.3,36.66 R5.1 R9.1
  Top w1: C111.1 76.2,4.07 C112.2 ; C111.1 79.07,4.07 v3(79.1,4.1) ; C111.1 77.24,4.84 74.08,4.84 ; U3.7 92.24,18.53 C10.2 94.6,17.47 94.88,17.2 C9.1 95.8,17.2 v3(95.9,17.1)
  Bottom w0.157: D32.2 97.49,38 ; 97.49,38 95.29,35.8 v1(82.3,35.8) 81.6,35.1 81.6,21.4 87.4,15.6 ; 97.49,38 TP13.1 ; v3(79.1,4.1) 77.85,4.1 76.25,2.5 67,2.5 65.5,1 18.53,1 F20.1 F19.1 F18.1 F17.1 F16.1 F15.1 F5.1
  Bottom w1: v3(95.9,17.1) 94.4,15.6 87.4,15.6 82.6,10.8 F2.2 81.1,9.5 79.1,7.5 v3(79.1,4.1)
  vias: v1(86.15,14.35)
/computer/3V3_CAM: length 7.3
  Top w0.157: U7.1 80.81,88.31 C47.1 79.52,87.4 v1(77.2,87.4) ; C40.1 v1(77.4,88.6)
  Bottom w0.157: v1(77.2,87.4) 76.95,87.65 J5.1 77.05,88.6 v1(77.4,88.6)